# Altium PCB Boris_IO.PcbDoc (part 2 of 2)
Units mm, origin at the board's own origin, x right, y up, seen from the top; angles counter-clockwise.
Board outline 102.8 x 86.9 mm, 2 copper layers (Top Layer, Bottom Layer); 164 components, 216 nets, 847 pads, 54 vias.
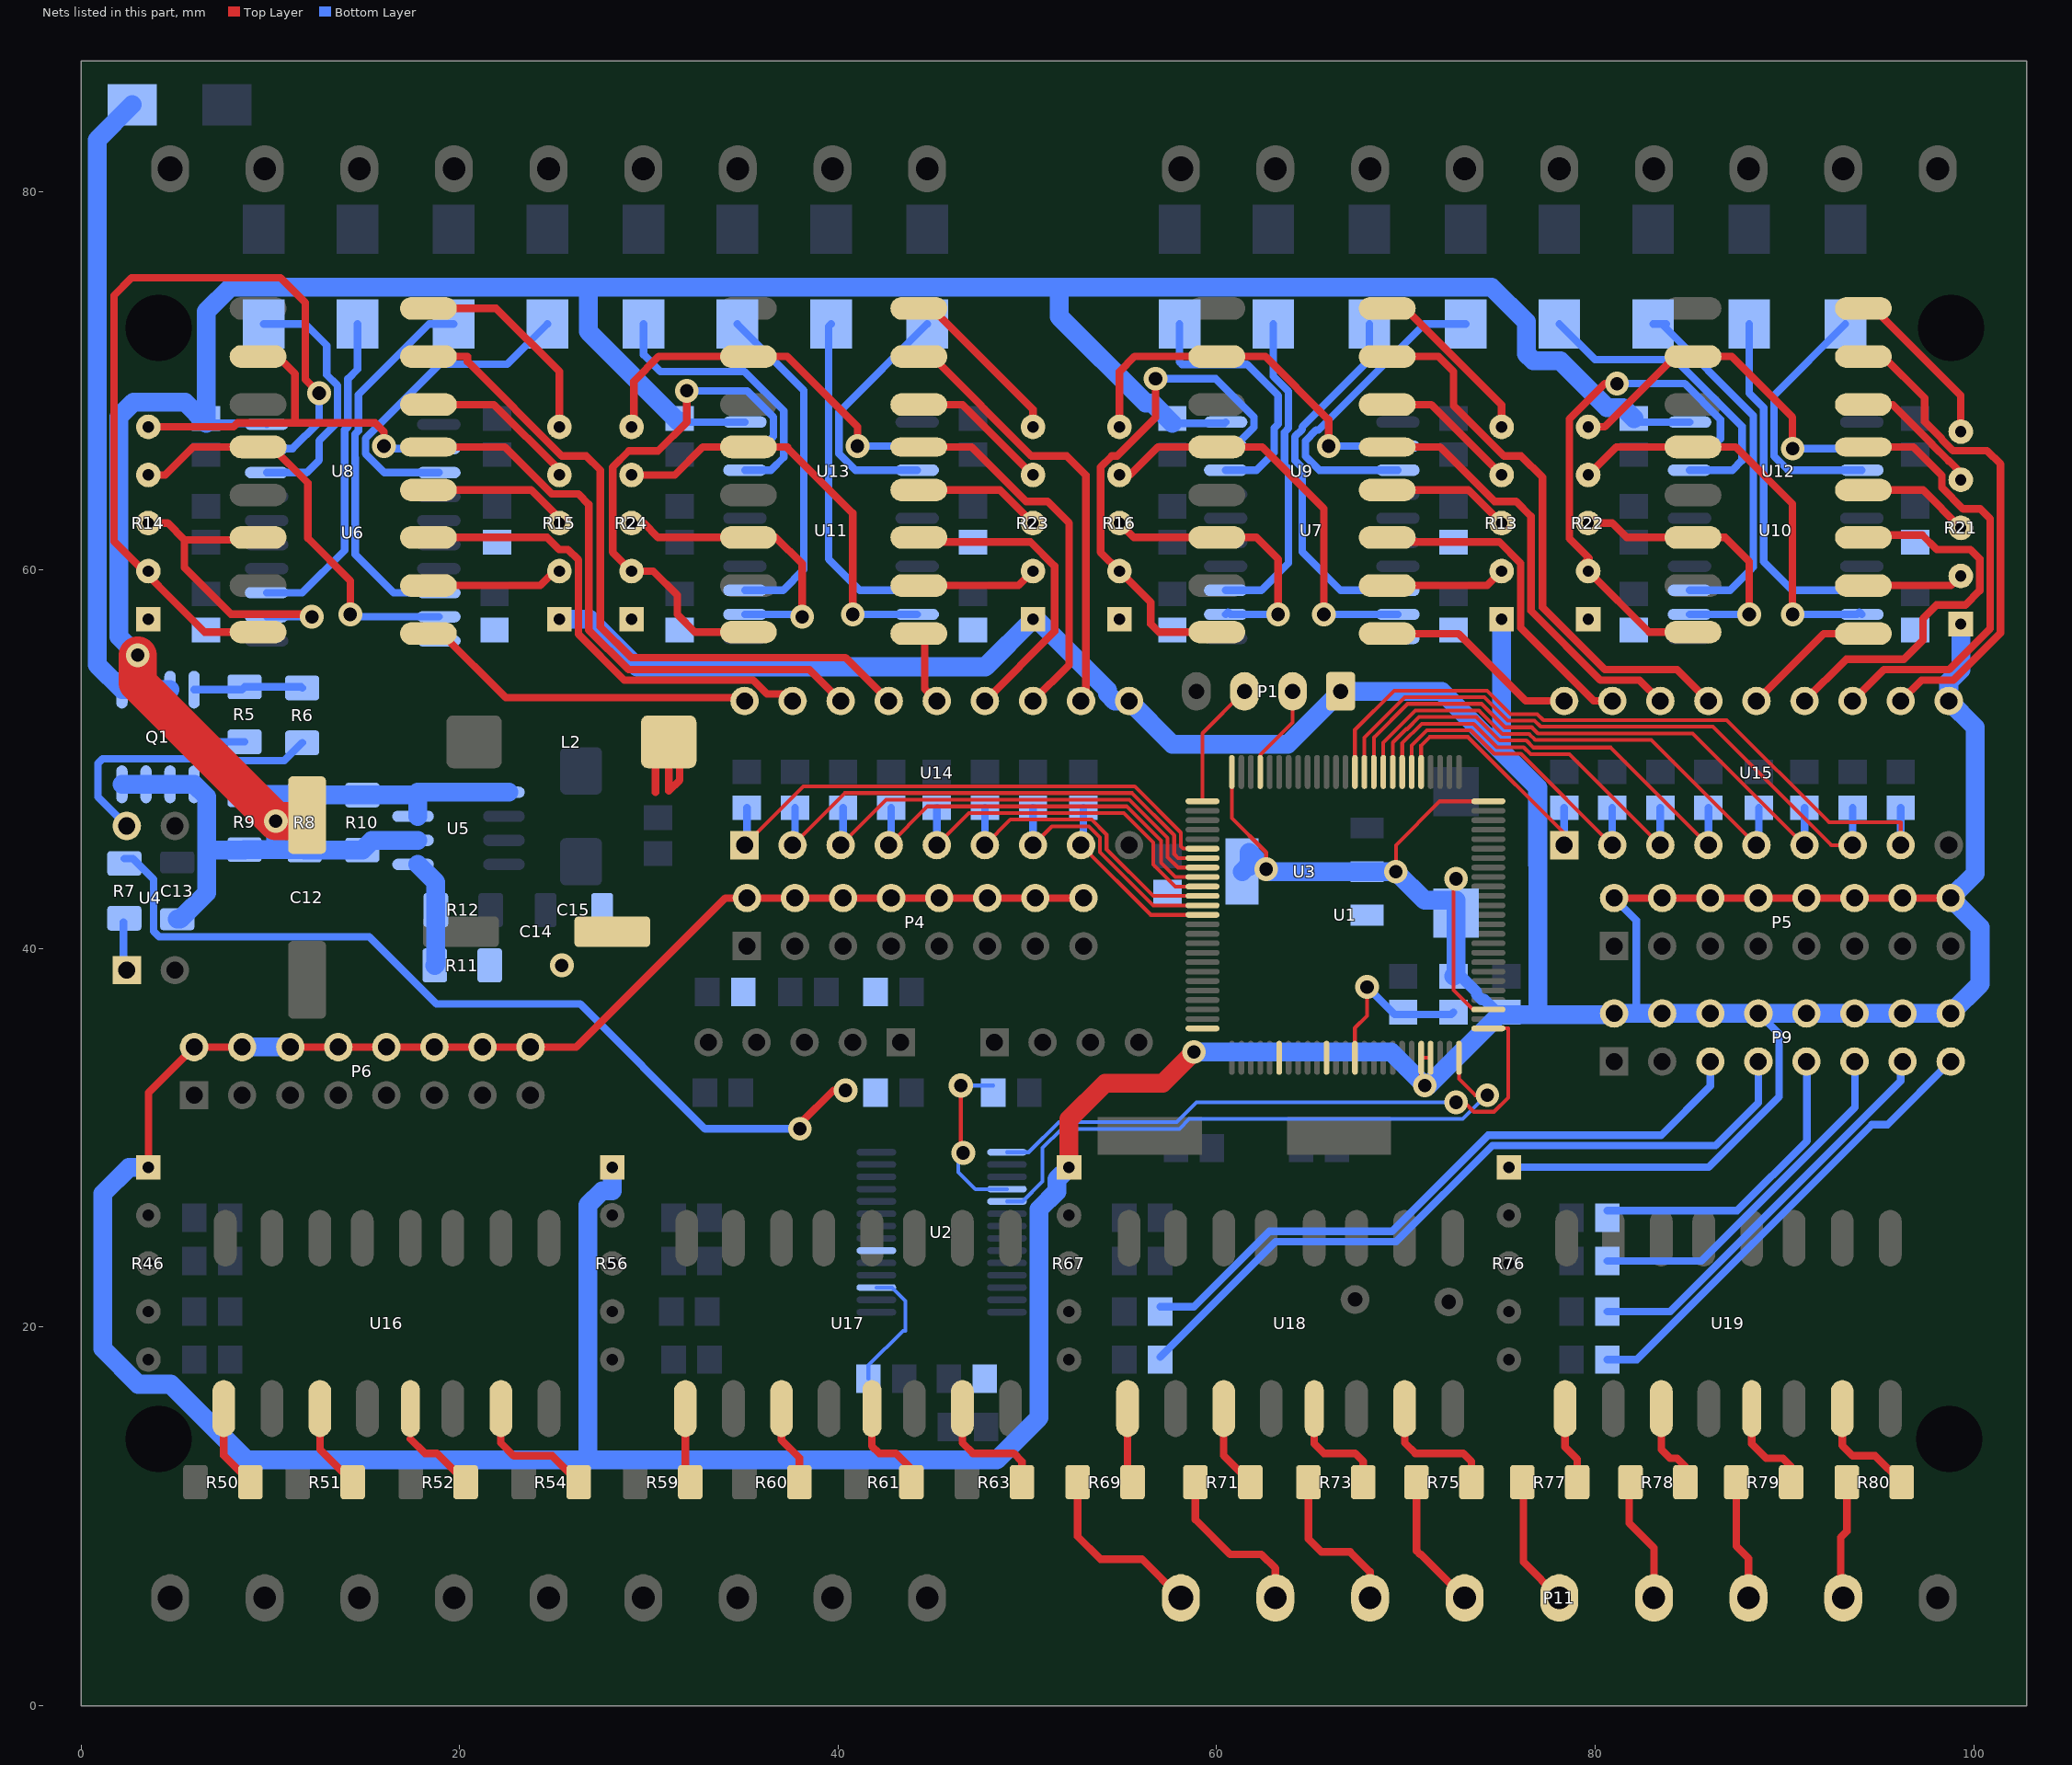
[diagram p2: the nets of this part, all layers, seen from the top]

## Via types
v1: diameter 1.25, hole 0.711, Top Layer to Bottom Layer, 32 vias
v2: diameter 1.27, hole 0.711, Top Layer to Bottom Layer, 22 vias

## Nets (pads, with @x,y where several pads share a name; then routed paths per layer and width w, separated by ;. In a path a pad name is that pad's centre, name@x,y a point inside that pad or via, vN(x,y) a via of type N, cw(c..) or ccw(c..) an arc to the next point about the centre after c; other vN are vias at no path point) (continued)
NetP9_5: P9.5 R65.2 | length 35.2
  Bottom Layer w0.4: R65.2@57.018,21.082 58.801,21.082 62.781,25.062 69.258,25.062 74.338,30.142 83.482,30.142 86.08,32.74 P9.5@86.08,34.036
NetP9_7: P9.7 R66.2 | length 39.4
  Bottom Layer w0.4: R66.2@57.018,18.415 63.115,24.512 69.486,24.512 74.566,29.592 86.361,29.592 88.62,31.851 P9.7@88.62,34.036
NetP9_9: P9.9 R68.2 | length 16.3
  Bottom Layer w0.4: R68.2@80.64,26.162 87.503,26.162 91.186,29.845 P9.9@91.186,34.036
NetP9_11: P9.11 R70.2 | length 18.9
  Bottom Layer w0.4: R70.2@80.64,23.495 85.614,23.495 93.726,31.607 P9.11@93.726,34.036
NetP9_13: P9.13 R72.2 | length 21.6
  Bottom Layer w0.4: R72.2@80.64,20.828 83.963,20.828 96.139,33.004 P9.13@96.139,34.036
NetP9_15: P9.15 R74.2 | length 24.7
  Bottom Layer w0.4: R74.2@80.64,18.288 82.201,18.288 94.615,30.702 95.446,30.702 P9.15@98.78,34.036
NetP11_1: P11.1 R69.1 | length 9.7
  Top Layer w0.4: R69.1@52.652,11.811 52.652,8.943 53.848,7.747 56.053,7.747 P11.1@58.1,5.7
NetP11_2: P11.2 R71.1 | length 8.8
  Top Layer w0.4: R71.1@58.875,11.811 58.875,9.832 60.706,8.001 62.357,8.001 63.1,7.258 P11.2@63.1,5.7
NetP11_3: P11.3 R73.1 | length 8.4
  Top Layer w0.4: R73.1@64.844,11.811 64.844,8.816 65.532,8.128 67.056,8.128 68.1,7.084 P11.3@68.1,5.7
NetP11_4: P11.4 R75.1 | length 7.2
  Top Layer w0.4: R75.1@70.559,11.811 70.559,8.181 70.739,8.001 70.799,8.001 P11.4@73.1,5.7
NetP11_5: P11.5 R77.1 | length 6.9
  Top Layer w0.4: R77.1@76.147,11.811 76.2,11.758 76.2,7.6 P11.5@78.1,5.7
NetP11_6: P11.6 R78.1 | length 6.7
  Top Layer w0.4: R78.1@81.862,11.811 81.788,11.737 81.788,9.652 83.1,8.34 P11.6@83.1,5.7
NetP11_7: P11.7 R79.1 | length 6.4
  Top Layer w0.4: R79.1@87.45,11.811 87.45,8.435 88.1,7.785 P11.7@88.1,5.7
NetP11_8: P11.8 R80.1 | length 6.3
  Top Layer w0.4: P11.8@93.1,5.7 92.964,5.836 92.964,8.89 93.292,9.218 R80.1@93.292,11.811
NetQ1_4: Q1.4 R5.2 R6.1 | length 5.8
  Bottom Layer w0.4: Q1.4@5.969,53.681 8.49,53.681 R5.2@8.636,53.827 11.631,53.827 R6.1@11.684,53.774
NetR6_2: R6.2 U4.4 | length 15.3
  Bottom Layer w0.4: U4.4@2.413,46.482 0.889,48.006 0.889,49.784 1.136,50.031 6.381,50.031 6.485,49.927 10.737,49.927 R6.2@11.684,50.874
NetR7_2: R7.2 U4.1 | length 2.6
  Bottom Layer w0.4: R7.2@2.233,41.402 2.233,39.042 U4.1@2.413,38.862
NetR11_2: R11.2 R12.1 U5.5 | length 5.7
  Bottom Layer w1: U5.5@17.793,44.45 18.743,43.5 R12.1@18.743,42.037 18.743,39.169 R11.2@18.69,39.116
NetR13_2: R13.2 U9.2 | length 5.7
  Top Layer w0.4: U9.2@69.709,59.182 74.295,59.182 R13.2@75.057,59.944
NetR13_3: R13.3 U9.4 | length 6.1
  Top Layer w0.4: U9.4@69.709,64.232 73.293,64.232 75.041,62.484 R13.3@75.057,62.484
NetR13_4: R13.4 U9.6 | length 6.9
  Top Layer w0.4: U9.6@69.709,68.742 71.339,68.742 R13.4@75.057,65.024
NetR13_5: R13.5 U9.8 | length 8.6
  Top Layer w0.4: U9.8@69.709,73.822 69.958,73.822 75.057,68.723 R13.5@75.057,67.564
NetR14_2: R14.2 U6.9 U8.16 | length 42.9
  Top Layer w0.4: U8.16@8.65,56.722 6.524,56.722 1.736,61.51 1.736,74.507 2.667,75.438 10.541,75.438 11.853,74.126 11.853,70.062 v1(12.573,69.342)
  Bottom Layer w0.4: U6.9@9.801,66.421 11.176,66.421 12.573,67.818 v1(12.573,69.342)
NetR14_3: R14.3 U6.2 U8.14 | length 17.4
  Top Layer w0.4: R14.3@3.302,62.484 R14.3@3.556,62.484 4.572,62.484 5.461,61.595 ; U8.14@8.65,61.722 8.523,61.595 5.461,61.595 ; v1(12.192,57.531) 12.051,57.672 7.917,57.672 5.461,60.128 5.461,61.595
  Bottom Layer w0.4: U6.2@9.801,57.531 v1(12.192,57.531)
NetR14_4: R14.4 U6.19 U8.12 | length 22.7
  Top Layer w0.4: R14.4@3.302,65.024 R14.4@3.556,65.024 4.445,65.024 5.923,66.502 U8.12@9.35,66.502 10.079,66.502 11.98,64.601 11.98,64.286 11.979,64.285 11.979,63.477 11.98,63.476 11.98,61.68 14.224,59.436 v1(14.224,57.658)
  Bottom Layer w0.4: v1(14.224,57.658) 14.351,57.531 U6.19@18.901,57.531
NetR14_5: R14.5 U6.12 U8.10 | length 22.3
  Top Layer w0.4: R14.5@3.302,67.564 R14.5@3.556,67.564 8.054,67.564 8.262,67.772 11.303,67.772 ; U8.10@8.65,71.282 U8.10@9.35,71.282 10.379,71.282 11.303,70.358 11.303,67.772 ; v1(16.002,66.548) 16.002,67.31 15.54,67.772 11.303,67.772
  Bottom Layer w0.4: v1(16.002,66.548) 16.129,66.421 U6.12@18.901,66.421
NetR15_2: R15.2 U8.2 | length 6.6
  Top Layer w0.4: U8.2@19.05,59.182 24.257,59.182 R15.2@25.273,60.198
NetR15_3: R15.3 U8.4 | length 6.8
  Top Layer w0.4: U8.4@19.05,64.232 23.779,64.232 R15.3@25.273,62.738
NetR15_4: R15.4 U8.6 | length 7.7
  Top Layer w0.4: U8.6@19.05,68.742 21.809,68.742 R15.4@25.273,65.278
NetR15_5: R15.5 U8.8 | length 10.3
  Top Layer w0.4: U8.8@19.05,73.822 21.936,73.822 25.273,70.485 R15.5@25.273,67.818
NetR16_2: R16.2 U7.9 U9.16 | length 26.9
  Top Layer w0.4: v1(56.769,70.104) 56.769,68.055 54.738,66.024 54.45,66.024 53.864,65.438 53.864,60.944 R16.2@54.864,59.944 56.515,58.293 56.515,57.15 56.943,56.722 U9.16@59.309,56.722
  Bottom Layer w0.4: v1(56.769,70.104) 59.957,70.104 61.974,68.087 61.974,67.549 60.973,66.548 U7.9@60.474,66.548
NetR16_3: R16.3 U7.2 U9.14 | length 15
  Top Layer w0.4: R16.3@54.864,62.484 55.626,61.722 U9.14@60.009,61.722 62.103,61.722 63.246,60.579 v1(63.246,57.658)
  Bottom Layer w0.4: U7.2@60.474,57.658 60.601,57.785 60.728,57.658 v1(63.246,57.658)
NetR16_4: R16.4 U7.19 U9.12 | length 22.3
  Top Layer w0.4: R16.4@54.864,65.024 55.418,65.024 56.896,66.502 U9.12@60.009,66.502 62.403,66.502 65.659,63.246 v1(65.659,57.658)
  Bottom Layer w0.4: v1(65.659,57.658) U7.19@69.574,57.658
NetR16_5: R16.5 U7.12 U9.10 | length 20.8
  Top Layer w0.4: R16.5@54.864,67.564 54.864,70.485 55.661,71.282 U9.10@60.009,71.282 62.576,71.282 65.913,67.945 v1(65.913,66.548)
  Bottom Layer w0.4: v1(65.913,66.548) 69.32,66.548 69.447,66.421 U7.12@69.574,66.548
NetR21_2: R21.2 U12.2 | length 4.9
  Top Layer w0.4: U12.2@94.615,59.182 98.806,59.182 R21.2@99.314,59.69
NetR21_3: R21.3 U12.4 | length 5.5
  Top Layer w0.4: U12.4@94.615,64.232 97.312,64.232 R21.3@99.314,62.23
NetR21_4: R21.4 U12.6 | length 6.6
  Top Layer w0.4: U12.6@94.615,68.742 95.723,68.742 97.764,66.701 97.764,66.668 98.672,65.76 98.705,65.76 99.314,65.151 R21.4@99.314,64.77
NetR21_5: R21.5 U12.8 | length 8.5
  Top Layer w0.4: U12.8@94.615,73.822 94.723,73.822 99.314,69.231 R21.5@99.314,67.31
NetR22_2: R22.2 U10.9 U12.16 | length 27
  Top Layer w0.4: v1(81.153,69.85) 80.501,69.85 78.629,67.978 78.629,61.664 79.671,60.622 79.311,60.262 R22.2@79.629,59.944 82.851,56.722 U12.16@84.215,56.722
  Bottom Layer w0.4: v1(81.153,69.85) 84.722,69.85 86.614,67.958 86.614,66.929 86.233,66.548 U10.9@84.985,66.548
NetR22_3: R22.3 U10.2 U12.14 | length 15.3
  Top Layer w0.4: R22.3@79.629,62.484 80.899,62.484 81.661,61.722 U12.14@85.169,61.722 86.868,61.722 88.138,60.452 v1(88.138,57.658)
  Bottom Layer w0.4: U10.2@84.985,57.658 v1(88.138,57.658)
NetR22_4: R22.4 U10.19 U12.12 | length 22.3
  Top Layer w0.4: R22.4@79.629,65.024 81.107,66.502 U12.12@85.169,66.502 87.422,66.502 90.424,63.5 v1(90.424,57.658)
  Bottom Layer w0.4: v1(90.424,57.658) 93.831,57.658 93.958,57.785 U10.19@94.085,57.658
NetR22_5: R22.5 U10.12 U12.10 | length 19
  Top Layer w0.4: R22.5@79.629,67.564 80.497,67.564 84.215,71.282 U12.10@85.169,71.282 87.214,71.282 90.424,68.072 v1(90.424,66.421)
  Bottom Layer w0.4: v1(90.424,66.421) 93.958,66.421 U10.12@94.085,66.548
NetR23_2: R23.2 U13.2 | length 5.6
  Top Layer w0.4: U13.2@44.958,59.182 49.53,59.182 R23.2@50.292,59.944
NetR23_3: R23.3 U13.4 | length 6.1
  Top Layer w0.4: U13.4@44.958,64.232 48.544,64.232 R23.3@50.292,62.484
NetR23_4: R23.4 U13.6 | length 6.9
  Top Layer w0.4: U13.6@44.958,68.742 46.574,68.742 R23.4@50.292,65.024
NetR23_5: R23.5 U13.8 | length 8.5
  Top Layer w0.4: U13.8@44.958,73.822 50.292,68.488 R23.5@50.292,67.564
NetR24_2: R24.2 U11.9 U13.16 | length 27.8
  Top Layer w0.4: v1(32.004,69.469) 32.004,67.818 30.48,66.294 28.939,66.294 28.083,65.438 28.083,60.944 R24.2@29.083,59.944 30.226,59.944 31.496,58.674 31.496,57.658 32.432,56.722 U13.16@34.558,56.722
  Bottom Layer w0.4: v1(32.004,69.469) 35.192,69.469 36.576,68.085 36.576,67.056 36.068,66.548 U11.9@35.074,66.548
NetR24_3: R24.3 U11.2 U13.14 | length 16
  Top Layer w0.4: R24.3@28.829,62.484 R24.3@29.083,62.484 29.718,62.484 30.48,61.722 U13.14@35.258,61.722 36.703,61.722 38.1,60.325 v1(38.1,57.531)
  Bottom Layer w0.4: U11.2@35.074,57.658 37.973,57.658 v1(38.1,57.531)
NetR24_4: R24.4 U11.19 U13.12 | length 22.8
  Top Layer w0.4: R24.4@28.829,65.024 R24.4@29.083,65.024 31.369,65.024 32.847,66.502 U13.12@35.258,66.502 37.338,66.502 37.338,66.439 40.767,63.01 v1(40.767,57.658)
  Bottom Layer w0.4: v1(40.767,57.658) U11.19@44.174,57.658
NetR24_5: R24.5 U11.12 U13.10 | length 20.6
  Top Layer w0.4: R24.5@28.829,67.564 29.21,67.945 29.21,69.977 30.515,71.282 U13.10@35.258,71.282 37.303,71.282 41.021,67.564 v1(41.021,66.548)
  Bottom Layer w0.4: v1(41.021,66.548) U11.12@44.174,66.548
NetR50_2: R50.2 U16.1 | length 4.5
  Top Layer w0.4: U16.1@7.539,15.7 7.539,13.215 R50.2@8.943,11.811
NetR51_2: R51.2 U16.3 | length 4.6
  Top Layer w0.4: U16.3@12.619,15.7 12.619,13.543 R51.2@14.351,11.811
NetR52_2: R52.2 U16.5 | length 3.9
  Top Layer w0.4: 17.399,14.097 18.161,13.335 18.796,13.335 R52.2@20.32,11.811
NetR54_2: R54.2 U16.7 | length 6.8
  Top Layer w0.4: U16.7@22.179,15.7 22.179,13.889 22.86,13.208 24.892,13.208 R54.2@26.289,11.811
NetR59_2: R59.2 U17.1 | length 3.6
  Top Layer w0.4: R59.2@31.923,12.072 U17.1@31.923,15.7
NetR60_2: R60.2 U17.3 | length 4.3
  Top Layer w0.4: U17.3@37.003,15.7 37.003,14.051 37.952,13.102 R60.2@37.952,11.811
NetR61_2: R61.2 U17.5 | length 4.6
  Top Layer w0.4: U17.5@41.783,15.7 41.783,13.716 42.164,13.335 43.053,13.335 R61.2@43.868,12.52
NetR63_2: R63.2 U17.7 | length 6.5
  Top Layer w0.4: U17.7@46.563,15.7 46.563,13.889 47.117,13.335 49.276,13.335 49.71,12.901 R63.2@49.71,11.811
NetR69_2: R69.2 U18.1 | length 3.6
  Top Layer w0.4: R69.2@55.291,12.072 U18.1@55.291,15.7
NetR71_2: R71.2 U18.3 | length 4.5
  Top Layer w0.4: U18.3@60.371,15.7 60.371,13.215 R71.2@61.775,11.811
NetR73_2: R73.2 U18.5 | length 5.9
  Top Layer w0.4: U18.5@65.151,15.7 65.151,13.843 65.659,13.335 67.31,13.335 67.744,12.901 R73.2@67.744,11.811
NetR75_2: R75.2 U18.7 | length 6.8
  Top Layer w0.4: U18.7@69.931,15.7 69.931,13.889 70.485,13.335 73.025,13.335 73.459,12.901 R75.2@73.459,11.811
NetR77_2: R77.2 U19.1 | length 4.2
  Top Layer w0.4: U19.1@78.41,15.7 78.41,13.665 79.047,13.028 R77.2@79.047,11.811
NetR78_2: R78.2 U19.3 | length 4.6
  Top Layer w0.4: U19.3@83.49,15.7 83.49,13.538 83.947,13.081 84.328,13.081 84.762,12.647 R78.2@84.762,11.811
NetR79_2: R79.2 U19.5 | length 5.3
  Top Layer w0.4: U19.5@88.27,15.7 88.27,13.838 89.027,13.081 89.916,13.081 90.35,12.647 R79.2@90.35,11.811
NetR80_2: R80.2 U19.7 | length 5.9
  Top Layer w0.4: U19.7@93.05,15.7 93.05,13.757 93.599,13.208 94.795,13.208 R80.2@96.192,11.811
NRST: C1.1 R1.1 U1.14 | length 9.2
  Top Layer w0.2: U1.14@67.302,34.233 67.302,35.806 67.945,36.449 v1(67.945,37.973)
  Bottom Layer w0.4: v1(67.945,37.973) 69.403,36.515 72.39,36.515 R1.1@72.517,36.642
OUT_1: R29.1 U1.81 U14.1 | length 29.3
  Top Layer w0.2: U14.1@35.052,45.466 38.152,48.566 55.666,48.566 58.102,46.13 58.102,45.403 58.222,45.283 U1.81@59.252,45.283
  Bottom Layer w0.4: U14.1@35.052,45.466 35.179,45.593 R29.1@35.179,47.437
OUT_1_1: F2.1 U6.8 | length 13.5
  Bottom Layer w0.4: F2.1@9.652,73 11.836,73 12.977,71.859 12.977,70.317 13.548,69.746 13.548,67.806 12.573,66.831 12.573,65.804 11.92,65.151 U6.8@9.801,65.151
OUT_1_2: F3.1 U6.3 | length 17.3
  Bottom Layer w0.4: U6.3@9.801,58.801 11.684,58.801 13.929,61.046 13.929,65.687 13.927,65.689 13.927,67.407 14.098,67.578 14.098,70.105 14.605,70.612 F3.1@14.605,73
OUT_1_3: F4.1 U6.18 | length 20.3
  Bottom Layer w0.4: U6.18@18.901,58.801 16.51,58.801 14.479,60.832 14.479,65.914 14.477,65.916 14.477,67.18 14.648,67.351 14.648,69.258 18.39,73 F4.1@19.685,73
OUT_1_4: F5.1 U6.13 | length 17.2
  Bottom Layer w0.4: U6.13@18.901,65.151 16.02,65.151 15.027,66.144 15.027,66.952 18.95,70.875 22.513,70.875 F5.1@24.638,73
OUT_2: R30.1 U1.82 U14.2 | length 26.8
  Top Layer w0.2: U14.2@37.592,45.466 40.342,48.216 55.521,48.216 57.752,45.985 57.752,44.991 57.96,44.783 U1.82@59.252,44.783
  Bottom Layer w0.4: U14.2@37.592,45.466 37.719,45.593 R30.1@37.719,47.437
OUT_2_1: F6.1 U11.8 | length 15
  Bottom Layer w0.4: F6.1@29.718,73 29.718,71.374 30.607,70.485 35.052,70.485 37.126,68.411 37.126,65.955 36.449,65.278 U11.8@35.074,65.278
OUT_2_2: F7.1 U11.3 | length 18
  Bottom Layer w0.4: F7.1@34.671,73 38.186,69.485 38.186,60.03 37.084,58.928 U11.3@35.074,58.928
OUT_2_3: F8.1 U11.18 | length 17.8
  Bottom Layer w0.4: F8.1@39.624,73 39.496,72.872 39.496,60.58 41.148,58.928 U11.18@44.174,58.928
OUT_2_4: F9.1 U11.13 | length 13.3
  Bottom Layer w0.4: U11.13@44.174,65.278 40.912,65.278 40.046,66.144 40.046,68.342 F9.1@44.704,73
OUT_3: R31.1 U1.83 U14.3 | length 24.2
  Top Layer w0.2: U14.3@40.132,45.466 42.532,47.866 55.376,47.866 57.402,45.84 57.402,44.833 57.952,44.283 U1.83@59.252,44.283
  Bottom Layer w0.4: U14.3@40.132,45.466 40.259,45.593 R31.1@40.259,47.437
OUT_3_1: F10.1 U7.8 | length 14
  Bottom Layer w0.4: F10.1@58.039,73 58.039,70.993 58.166,70.866 61.595,70.866 63.246,69.215 63.246,67.72 63.034,67.508 63.034,66.209 62.103,65.278 U7.8@60.474,65.278
OUT_3_2: F11.1 U7.3 | length 17.1
  Bottom Layer w0.4: U7.3@60.474,58.928 62.357,58.928 63.796,60.367 63.796,65.35 63.584,65.562 63.584,67.28 63.796,67.492 63.796,69.443 62.992,70.247 F11.1@62.992,73
OUT_3_3: F12.1 U7.18 | length 19.7
  Bottom Layer w0.4: F12.1@68.072,73 68.072,71.12 64.515,67.563 64.515,67.434 64.134,67.053 64.134,65.789 64.515,65.408 64.515,60.961 66.548,58.928 U7.18@69.574,58.928
OUT_3_4: F13.1 U7.13 | length 17
  Bottom Layer w0.4: U7.13@69.574,65.278 65.423,65.278 64.684,66.017 64.684,66.825 65.255,67.396 65.382,67.396 70.986,73 F13.1@73.152,73
OUT_4: R32.1 U1.84 U14.4 | length 21.7
  Top Layer w0.2: U14.4@42.672,45.466 44.722,47.516 55.231,47.516 57.052,45.695 57.052,44.548 57.817,43.783 U1.84@59.252,43.783
  Bottom Layer w0.4: U14.4@42.672,45.466 42.799,45.593 R32.1@42.799,47.437
OUT_4_1: F14.1 U10.8 | length 16.7
  Bottom Layer w0.4: F14.1@78.105,73 79.985,71.12 84.23,71.12 87.757,67.593 87.757,65.786 87.249,65.278 U10.8@84.985,65.278
OUT_4_2: F15.1 U10.3 | length 19.3
  Bottom Layer w0.4: F15.1@83.058,73 F15.1@83.509,73 ; F15.1@83.75,73 F15.1@83.509,73 ; U10.3@84.985,58.928 87.122,58.928 88.249,60.055 ; 88.349,60.155 88.349,68.16 F15.1@83.509,73
OUT_4_3: F16.1 U10.18 | length 18.7
  Bottom Layer w0.4: F16.1@88.138,73 88.138,69.342 88.899,68.581 88.899,60.453 90.424,58.928 U10.18@94.085,58.928
OUT_4_4: F17.1 U10.13 | length 13.5
  Bottom Layer w0.4: F17.1@93.218,73 89.449,69.231 89.449,66.017 90.188,65.278 U10.13@94.085,65.278
OUT_5: R33.1 U1.85 U14.5 | length 19
  Top Layer w0.2: U14.5@45.212,45.466 46.912,47.166 55.086,47.166 56.642,45.61 56.642,44.45 57.809,43.283 U1.85@59.252,43.283
  Bottom Layer w0.4: U14.5@45.212,45.466 R33.1@45.212,47.437
OUT_6: R34.1 U1.86 U14.6 | length 16.2
  Top Layer w0.2: U14.6@47.752,45.466 49.102,46.816 53.391,46.816 54.182,46.025 54.182,45.242 56.641,42.783 U1.86@59.252,42.783
  Bottom Layer w0.4: U14.6@47.752,45.466 R34.1@47.752,47.437
OUT_7: R35.1 U1.87 U14.7 | length 13.5
  Top Layer w0.2: U14.7@50.292,45.466 51.292,46.466 53.246,46.466 53.832,45.88 53.832,45.097 56.646,42.283 U1.87@59.252,42.283
  Bottom Layer w0.4: U14.7@50.292,45.466 R35.1@50.292,47.437
OUT_8: R36.1 U1.88 U14.8 | length 10
  Top Layer w0.2: U14.8@52.832,45.466 56.515,41.783 U1.88@59.252,41.783
  Bottom Layer w0.4: U14.8@52.832,45.466 52.959,45.593 R36.1@52.959,47.437
OUT_9: R37.1 U1.55 U15.1 | length 13.9
  Top Layer w0.2: U1.55@70.802,49.333 70.802,50.736 71.247,51.181 73.279,51.181 78.359,46.101 U15.1@78.359,45.466
  Bottom Layer w0.4: U15.1@78.359,45.466 R37.1@78.359,47.437
OUT_10: R38.1 U1.56 U15.2 | length 16.8
  Top Layer w0.2: U1.56@70.302,49.333 70.302,50.731 71.102,51.531 73.424,51.531 74.663,50.292 76.073,50.292 U15.2@80.899,45.466
  Bottom Layer w0.4: U15.2@80.899,45.466 R38.1@80.899,47.437
OUT_11: R39.1 U1.57 U15.3 | length 20.2
  Top Layer w0.2: U1.57@69.802,49.333 69.802,50.853 70.83,51.881 73.569,51.881 74.808,50.642 76.218,50.642 76.588,50.272 78.633,50.272 U15.3@83.439,45.466
  Bottom Layer w0.4: U15.3@83.439,45.466 R39.1@83.439,47.437
OUT_12: R40.1 U1.58 U15.4 | length 23.6
  Top Layer w0.2: U1.58@69.302,49.333 69.302,50.891 70.007,51.596 70.05,51.596 70.685,52.231 73.714,52.231 74.953,50.992 76.363,50.992 76.733,50.622 80.823,50.622 U15.4@85.979,45.466
  Bottom Layer w0.4: U15.4@85.979,45.466 R40.1@85.979,47.437
OUT_13: R41.1 U1.59 U15.5 | length 26.9
  Top Layer w0.2: U1.59@68.802,49.333 68.802,50.886 70.497,52.581 73.859,52.581 75.098,51.342 76.508,51.342 76.827,51.023 82.962,51.023 U15.5@88.519,45.466
  Bottom Layer w0.4: U15.5@88.519,45.466 88.646,45.593 R41.1@88.646,47.437
OUT_14: R42.1 U1.60 U15.6 | length 30.4
  Top Layer w0.2: U1.60@68.302,49.333 68.302,51.157 70.076,52.931 74.004,52.931 75.243,51.692 76.653,51.692 76.972,51.373 85.152,51.373 U15.6@91.059,45.466
  Bottom Layer w0.4: U15.6@91.059,45.466 R42.1@91.059,47.437
OUT_15: R43.1 U1.61 U15.7 | length 33.7
  Top Layer w0.2: U1.61@67.802,49.333 67.802,51.152 69.931,53.281 74.149,53.281 75.388,52.042 76.798,52.042 77.117,51.723 86.216,51.723 92.473,45.466 U15.7@93.599,45.466
  Bottom Layer w0.4: U15.7@93.599,45.466 R43.1@93.599,47.437
OUT_16: R44.1 U1.62 U15.8 | length 38
  Top Layer w0.2: U1.62@67.302,49.333 67.302,51.554 69.379,53.631 74.294,53.631 75.533,52.392 76.943,52.392 77.262,52.073 86.947,52.073 92.352,46.668 96.139,46.668 U15.8@96.139,45.466
  Bottom Layer w0.4: U15.8@96.139,45.466 R44.1@96.139,47.437
OUT_A_1: U8.1 U14.18 | length 17.6
  Top Layer w0.4: U8.1@19.05,56.642 22.437,53.255 34.524,53.255 34.873,52.907 U14.18@35.052,53.086
OUT_A_2: U8.3 U14.17 | length 24.4
  Top Layer w0.4: U8.3@19.05,61.722 24.621,61.722 25.256,61.087 25.726,61.087 26.273,60.54 26.273,56.609 28.696,54.186 35.508,54.186 36.237,53.457 37.185,53.457 37.203,53.475 U14.17@37.592,53.086
OUT_A_3: U8.5 U14.16 | length 30.5
  Top Layer w0.4: U8.5@19.05,66.502 22.381,66.502 24.859,64.024 26.273,64.024 26.823,63.474 26.823,56.837 28.924,54.736 38.482,54.736 U14.16@40.132,53.086
OUT_A_4: U8.7 U14.15 | length 36.2
  Top Layer w0.4: U8.7@19.05,71.282 20.412,71.282 20.412,71.011 25.399,66.024 26.686,66.024 27.432,65.278 27.432,57.006 29.066,55.372 40.386,55.372 U14.15@42.672,53.086
OUT_A_5: U13.1 U14.14 | length 4
  Top Layer w0.4: U13.1@44.958,56.642 44.577,56.261 44.577,53.721 U14.14@45.212,53.086
OUT_A_6: U13.3 U14.13 | length 15.9
  Top Layer w0.4: U13.3@44.958,61.722 44.958,61.484 50.166,61.484 51.435,60.215 51.435,56.752 47.769,53.086 U14.13@47.752,53.086
OUT_A_7: U13.5 U14.12 | length 19.1
  Top Layer w0.4: U13.5@44.958,66.502 47.052,66.502 49.927,63.627 51.054,63.627 52.197,62.484 52.197,54.991 U14.12@50.292,53.086
OUT_A_8: U13.7 U14.11 | length 22.8
  Top Layer w0.4: U13.7@44.958,71.282 50.216,66.024 52.086,66.024 53.086,65.024 53.086,53.34 U14.11@52.832,53.086
OUT_A_9: U9.1 U15.18 | length 10.1
  Top Layer w0.4: U9.1@69.709,56.642 72.771,56.642 76.327,53.086 U15.18@78.359,53.086
OUT_A_10: U9.3 U15.17 | length 16.9
  Top Layer w0.4: U9.3@69.709,61.722 69.709,61.484 74.931,61.484 76.057,60.358 76.057,56.944 79.915,53.086 U15.17@80.899,53.086
OUT_A_11: U9.5 U15.16 | length 22.2
  Top Layer w0.4: U9.5@69.709,66.502 71.801,66.502 74.676,63.627 75.819,63.627 76.607,62.839 76.607,57.853 80.274,54.186 82.339,54.186 U15.16@83.439,53.086
OUT_A_12: U9.7 U15.15 | length 28.9
  Top Layer w0.4: U9.7@69.709,71.282 71.72,71.282 72.517,70.485 72.517,68.69 75.183,66.024 76.089,66.024 77.216,64.897 77.216,58.022 80.502,54.736 84.329,54.736 U15.15@85.979,53.086
OUT_A_13: U12.1 U15.14 | length 7.6
  Top Layer w0.4: U15.14@88.519,53.086 92.075,56.642 U12.1@94.615,56.642
OUT_A_14: U12.3 U15.13 | length 20.3
  Top Layer w0.4: U15.13@91.059,53.086 93.259,55.286 96.307,55.286 97.323,56.302 97.323,57.445 98.028,58.15 99.552,58.15 100.314,58.912 100.314,60.595 99.822,61.087 98.044,61.087 97.282,61.849 94.742,61.849 U12.3@94.615,61.722
OUT_A_15: U12.5 U15.12 | length 22.8
  Top Layer w0.4: U15.12@93.599,53.086 95.249,54.736 98.695,54.736 100.864,56.905 100.864,62.712 100.346,63.23 99.44,63.23 98.314,64.356 98.314,64.992 96.804,66.502 U12.5@94.615,66.502
OUT_A_16: U12.7 U15.11 | length 25.6
  Top Layer w0.4: U12.7@94.615,71.282 95.215,71.282 97.409,69.088 97.409,67.834 98.314,66.929 98.314,66.896 98.9,66.31 100.695,66.31 101.414,65.591 101.414,56.677 98.923,54.186 97.239,54.186 U15.11@96.139,53.086
SWC: R8.2 R9.2 R10.2 U5.1 U5.7 U5.8 | length 15.3
  Bottom Layer w1: R9.2@8.636,48.133 11.79,48.133 R8.2@11.811,48.112 R10.2@14.859,48.112 17.645,48.112 U5.8@17.793,48.26 ; U5.7@17.793,46.99 U5.8@17.793,48.26 ; U5.1@22.593,48.26 U5.1@22.339,48.26 U5.8@17.793,48.26
SWCLK: P1.3 U1.76 | length 6.7
  Top Layer w0.2: U1.76@59.252,47.783 59.252,51.378 P1.3@61.468,53.594
SWDIO: P1.2 U1.72 | length 5
  Top Layer w0.2: U1.72@62.302,49.333 62.302,50.237 64.008,51.943 P1.2@64.008,53.594
USB_5V: C4.1 C5.1 L1.2 R2.1 R3.1 R4.2 R7.1 U2.4 U2.20 U3.3 | length 56.1
  Top Layer w0.2: v2(46.482,32.766) 46.482,29.337 v1(46.609,29.21)
  Top Layer w0.4: v1(37.973,30.48) 37.973,30.734 39.751,32.512 v2(40.386,32.512)
  Bottom Layer w0.2: v2(46.482,32.766) R3.1@48.199,32.766 ; v1(46.609,29.21) 46.355,29.21 46.355,28.194 47.255,27.294 U2.4@48.916,27.294
  Bottom Layer w0.4: R7.1@2.286,44.757 2.741,44.757 3.83,43.668 3.83,40.917 4.119,40.628 15.228,40.628 18.772,37.084 26.365,37.084 32.969,30.48 v1(37.973,30.48)
USB_RX: U1.25 U2.5 | length 31.7
  Top Layer w0.2: U1.25@72.802,34.233 72.802,33.116 73.66,32.258 v1(74.295,32.258)
  Bottom Layer w0.2: U2.5@48.916,26.644 49.742,26.644 50.8,27.702 50.8,29.477 51.803,30.48 58.026,30.48 58.548,31.002 73.006,31.002 74.262,32.258 v1(74.295,32.258)
USB_TX: U1.26 U2.1 | length 32.8
  Top Layer w0.2: v1(72.644,31.877) 73.095,31.877 73.589,31.383 74.657,31.383 75.404,32.13 75.404,35.783 U1.26@74.352,35.783
  Bottom Layer w0.2: U2.1@48.916,29.244 50.072,29.244 51.658,30.83 57.881,30.83 58.928,31.877 v1(72.644,31.877)
VCC: F1.1 Q1.1 Q1.2 Q1.3 R5.1 | length 41
  Bottom Layer w0.4: Q1.3@4.699,53.681 4.699,51.689 5.461,50.927 R5.1@8.636,50.927
  Bottom Layer w1: F1.1@2.707,84.582 0.852,82.727 0.852,54.988 Q1.1@2.159,53.681 Q1.2@3.429,53.681 Q1.3@4.699,53.681
VCC_3.3V: C6.1 C7.1 P1.1 P4.2 P4.4 P4.6 P4.8 P4.10 P4.12 P4.14 P4.16 P5.2 P5.4 P5.6 P5.8 P5.10 P5.12 P5.14 P5.16 P6.2 P6.4 P6.6 P6.8 P6.10 P6.12 P6.14 P6.16 P9.2 P9.4 P9.6 P9.8 P9.10 P9.12 P9.14 P9.16 R1.2 R13.1 R15.1 R21.1 R23.1 R46.1 R56.1 R67.1 R76.1 U1.6 U1.11 U1.21 U1.22 U1.28 U1.50 U1.75 U1.100 U3.2 U3.4 U14.10 U15.10 | length 397.5
  Top Layer w0.2: U1.75@60.802,49.333 60.802,46.894 62.611,45.085 v1(62.611,44.196) ; v1(69.469,44.069) 69.469,45.466 71.786,47.783 U1.50@74.352,47.783 ; v1@70.802,32.957 U1.21@70.802,34.233 U1.22@71.302,34.233 ; v1(72.644,43.688) 72.517,43.561 72.517,37.802 73.536,36.783 U1.28@74.352,36.783
  Top Layer w0.4: R46.1@3.556,28.448 3.556,32.385 P6.2@5.969,34.798 P6.4@8.509,34.798 ; P6.6@11.049,34.798 P6.8@13.589,34.798 P6.10@16.129,34.798 P6.12@18.669,34.798 P6.14@21.209,34.798 P6.16@23.749,34.798 26.163,34.798 34.037,42.672 P4.2@35.179,42.672 P4.4@37.719,42.672 P4.6@40.259,42.672 P4.8@42.799,42.672 P4.10@45.339,42.672 P4.12@47.879,42.672 P4.14@50.419,42.672 P4.16@52.959,42.672 ; P5.2@81,42.672 P5.4@83.54,42.672 P5.6@86.08,42.672 P5.8@88.62,42.672 P5.10@91.16,42.672 P5.12@93.7,42.672 P5.14@96.139,42.672 ; P5.14@96.24,42.672 P5.16@98.78,42.672
  Top Layer w1: R67.1@52.197,28.448 52.197,30.988 54.102,32.893 57.15,32.893 v1(58.801,34.544)
  Bottom Layer w0.2: C6.1@72.644,42.55 v1(72.644,43.688)
  Bottom Layer w0.4: U3.2@67.943,44.069 v1(69.469,44.069) ; R76.1@75.438,28.448 85.995,28.448 89.72,32.173 89.72,35.491 P9.8@88.635,36.576 ; P5.2@81,42.672 82.169,41.503 82.169,36.576
  Bottom Layer w0.6: R1.2@72.517,38.542 72.903,38.542 73.73,37.715 73.73,37.579 73.994,37.315 74.13,37.315 C7.1@74.93,36.515
  Bottom Layer w1: R46.1@3.556,28.448 2.54,28.448 1.143,27.051 1.143,18.863 3.018,16.988 4.729,16.988 8.735,12.982 48.382,12.982 50.616,15.216 50.616,26.232 51.55,27.166 51.55,27.801 R67.1@52.197,28.448 ; P6.4@8.509,34.798 P6.6@11.049,34.798 ; R15.1@25.273,57.404 26.864,57.404 29.38,54.888 47.776,54.888 R23.1@50.292,57.404 50.494,57.404 54.232,53.666 54.232,53.464 54.61,53.086 U14.10@55.372,53.086 57.658,50.8 63.754,50.8 P1.1@66.548,53.594 71.882,53.594 75.057,50.419 ; 26.767,13.46 26.767,26.446 27.529,27.208 28.067,27.208 R56.1@28.067,28.448 ; v1(58.801,34.544) 69.215,34.544 v1(70.993,32.766) 71.181,32.766 74.93,36.515 80.939,36.515 P9.2@81,36.576 82.169,36.576 P9.4@83.54,36.576 P9.6@86.08,36.576 P9.8@88.62,36.576 88.635,36.576 P9.10@91.16,36.576 P9.12@93.7,36.576 P9.14@96.24,36.576 P9.16@98.78,36.576 100.33,38.126 100.33,41.122 P5.16@98.78,42.672 100.079,43.971 100.079,51.686 U15.10@98.679,53.086 98.679,54.102 99.314,54.737 R21.1@99.314,57.15 ; U3.4@61.343,44.069 U3.4@61.722,44.448 ; U3.4@61.722,44.323 U3.4@61.722,44.448 ; R1.2@72.517,38.542 72.644,38.669 C6.1@72.644,41.885 72.644,42.55 70.988,42.55 v1(69.469,44.069) U3.2@67.943,44.069 62.738,44.069 v1(62.611,44.196) 62.041,44.766 61.722,45.085 U3.4@61.722,44.448 ; R13.1@75.057,57.404 75.057,50.419 ; 76.962,36.769 76.962,44.444 76.959,44.447 76.959,46.485 76.962,46.488 76.962,46.515 76.959,46.518 76.959,48.356 76.962,48.359 76.962,48.415 76.959,48.418 76.959,48.517 75.057,50.419
VCC_5V: C14.1 C15.1 C18.1 C20.1 C28.1 C30.1 L2.2 R11.1 R14.1 R16.1 R17.2 R18.2 R19.2 R20.2 R22.1 R24.1 R25.2 R26.2 R27.2 R28.2 U6.20 U7.20 U10.20 U11.20 | length 6.9
  Top Layer w0.4: 30.353,48.26 L2.2@30.353,50.228 ; L2.2@31.051,50.927 31.051,48.323 31.623,48.895 31.623,49.911 L2.2@31.115,49.911
  other v2: 25.4,39.116
VCC_24V: C12.1 C13.1 C17.1 C19.1 C27.1 C29.1 Q1.5 Q1.6 Q1.7 Q1.8 R8.1 R9.1 R10.1 U5.6 U6.10 U7.10 U10.10 U11.10 | length 173.7
  Top Layer w1: C12.1@11.906,46.736 C12.1@12.192,47.022
  Top Layer w2: v1(2.988,55.499) 2.988,54.035 v1(10.287,46.736) C12.1@11.906,46.736
  Bottom Layer w0.4: C17.1@6.604,67.752 9.74,67.752 U6.10@9.801,67.691 ; C27.1@32.004,67.818 U11.10@35.074,67.818 ; C19.1@57.658,67.752 60.408,67.752 U7.10@60.474,67.818 ; C29.1@82.042,68.006 82.23,67.818 U10.10@84.985,67.818
  Bottom Layer w1: Q1.8@2.159,48.681 Q1.7@3.429,48.681 Q1.6@4.699,48.681 Q1.5@5.969,48.681 6.63,48.02 6.63,45.212 ; v1(2.988,55.499) 2.002,56.485 2.002,68.102 2.764,68.864 5.492,68.864 6.604,67.752 C17.1@6.604,68.006 6.604,73.66 7.894,74.95 74.521,74.95 76.355,73.116 76.355,71.431 76.736,71.05 78.15,71.05 80.625,68.575 81.473,68.575 C29.1@82.042,68.006 ; C13.1@5.08,41.553 5.231,41.553 6.63,42.952 6.63,45.212 ; v1(10.287,46.736) 10.287,45.233 ; U5.6@17.793,45.72 U5.6@17.539,45.72 15.367,45.72 R10.1@14.859,45.212 R8.1@11.811,45.212 11.79,45.233 10.287,45.233 ; 26.797,74.823 26.797,72.602 31.52,67.879 C27.1@31.623,67.879 ; 51.689,74.823 51.689,73.381 56.241,68.829 56.581,68.829 C19.1@57.658,67.752 ; 6.63,45.212 8.615,45.212 R9.1@8.636,45.233 10.287,45.233
VCC_USB_3.3V: C10.1 U2.17 | length 6.8
  Bottom Layer w0.2: C10.1@41.595,17.272 41.595,17.973 43.434,19.812 43.561,19.812 43.561,21.375 42.842,22.094 U2.17@42.016,22.094
pads on no net: C12.0 C13.0 C14.0 C15.0 D1.0 L2.0 P2.4 R5.0 R6.0 R7.0 R8.0 R9.0 R10.0 R11.0 R12.0 R50.0 R51.0 R52.0 R54.0 R59.0 R60.0 R61.0 R63.0 R69.0 R71.0 R73.0 R75.0 R77.0 R78.0 R79.0 R80.0 U1.1 U1.2 U1.3 U1.4 U1.5 U1.7 U1.8 U1.9 U1.15 U1.16 U1.17 U1.18 U1.23 U1.24 U1.33 U1.34 U1.35 U1.36 U1.37 U1.38 U1.39 U1.40 U1.41 U1.42 U1.43 U1.44 U1.45 U1.46 U1.53 U1.54 U1.63 U1.64 U1.65 U1.66 U1.67 U1.68 U1.69 U1.70 U1.71 U1.77 U1.78 U1.79 U1.80 U1.98 U2.2 U2.3 U2.6 U2.8 U2.9 U2.10 U2.11 U2.12 U2.13 U2.14 U2.24 U2.27 U2.28

## Polygon pours and split planes (outlines as drawn)
GND on Top Layer "Top Layer-No Net" (solid, pour order 2): 12.827,36.195 12.7,36.322 0,36.322 0,78.232 0.254,78.486 93.091,78.486 93.599,78.486 95.25,80.137 95.25,80.645 95.25,82.804 95.885,83.439 102.489,83.439 102.489,53.34 101.981,52.832 101.727,53.086 69.469,53.086 67.437,55.118 67.183,55.372 58.674,55.372 58.42,55.372 54.991,51.943 53.086,50.038 36.576,50.038 35.498,50.038 33.593,51.943 32.766,51.943 17.272,51.943 16.764,51.435 16.637,51.308 16.637,43.392 16.637,43.053 17.272,43.053 19.685,43.053 23.114,43.053 23.114,41.021 23.114,36.195 13.081,36.195 12.954,36.068
VCC_5V on Top Layer "Top Layer-No Net" (solid, pour order 24): 29.591,51.816 29.591,44.831 25.654,44.831 24.511,43.688 24.257,43.434 24.257,37.846 27.178,37.846 32.512,43.18 32.512,50.419
VCC_3.3V on Top Layer "Top Layer-No Net" (solid, pour order 28): 58.039,34.544 58.166,34.671 58.166,35.941 63.246,35.941 63.373,35.814 63.5,35.687 63.5,33.909 63.5,33.528 63.881,33.147 65.278,33.147 65.405,33.147 65.659,33.401 65.659,35.433 65.913,35.433 65.913,33.909 65.913,32.893 65.532,32.512 65.278,32.258 63.246,32.258 60.325,32.258 58.801,33.782
GND_USB on Top Layer "Top Layer-No Net" (solid, pour order 30): 23.368,36.195 26.543,36.195 26.543,36.449 33.02,42.926 33.147,43.053 33.147,50.038 53.467,50.038 57.531,54.102 58.674,55.245 62.738,55.245 67.056,55.245 67.183,55.118 68.707,53.594 69.596,53.594 74.549,53.594 75.819,52.324 76.07,52.073 77.262,52.073 77.392,51.943 101.219,51.943 101.727,51.943 102.108,51.562 101.219,50.673 101.219,19.685 101.219,19.431 100.584,18.796 100.457,18.923 2.413,18.923 2.413,35.56 2.921,36.068
GND on Bottom Layer "Top Layer-No Net" (solid, pour order 4): 4.699,66.548 4.699,61.722 7.747,61.722 7.747,59.69 11.557,59.69 11.557,64.516 8.001,64.516 7.747,64.77 7.747,65.024 7.747,66.421 7.62,66.548
GND on Bottom Layer "Top Layer-No Net" (solid, pour order 6): 14.859,64.643 14.859,61.214 14.859,61.087 16.637,59.309 19.939,59.309 20.066,59.309 20.447,58.928 20.574,58.801 20.574,57.531 22.225,57.531 22.987,58.293 23.241,58.293 23.241,59.563 21.209,61.595 21.209,62.865 22.182,62.865 23.071,63.754 23.071,66.271 22.159,67.183 20.701,67.183 20.701,65.405 19.939,64.643
GND on Bottom Layer "Top Layer-No Net" (solid, pour order 8): 30.099,66.929 30.099,62.357 32.893,62.357 32.893,60.071 32.893,59.817 33.274,59.436 33.401,59.309 36.576,59.309 36.83,59.309 37.719,60.198 37.846,60.325 37.846,64.135 37.846,64.262 36.83,65.278 34.163,65.278 33.528,65.913 33.528,66.929
GND on Bottom Layer "Top Layer-No Net" (solid, pour order 10): 40.912,65.278 45.339,65.278 45.847,65.786 45.847,66.294 45.847,66.548 46.609,67.31 46.67,67.371 47.564,67.371 48.303,66.632 48.303,63.416 47.988,63.416 47.752,63.18 47.686,63.246 46.228,63.246 46.228,61.468 46.416,61.28 47.117,61.28 48.768,59.629 48.768,58.359 47.432,57.023 47.305,57.15 45.339,57.15 45.339,58.928 41.148,58.928 41.021,59.055 40.894,59.182 40.894,59.436
GND on Bottom Layer "Top Layer-No Net" (solid, pour order 12): 54.991,65.024 54.991,62.357 55.372,61.976 57.658,61.976 57.658,59.182 62.357,59.182 62.484,59.055 63.796,60.367 63.796,65.35 63.614,65.532 60.325,65.532 59.436,65.532 59.182,65.786 59.182,67.183 55.753,67.183 54.991,66.421
GND on Bottom Layer "Top Layer-No Net" (solid, pour order 14): 64.515,65.151 70.358,65.151 70.485,65.278 70.612,65.405 70.866,65.405 70.866,67.818 72.898,67.818 72.898,67.498 73.617,66.779 73.617,64.473 73.224,64.08 73.152,64.008 71.755,64.008 71.755,61.722 71.821,61.788 72.517,61.788 73.617,60.688 73.617,58.062 72.517,56.962 72.329,57.15 70.739,57.15 70.739,58.928 66.548,58.928 64.515,60.961
GND on Bottom Layer "Top Layer-No Net" (solid, pour order 16): 79.629,67.564 79.629,62.484 79.629,62.357 79.756,62.23 80.01,61.976 82.677,61.976 82.677,59.182 82.936,58.923 84.582,58.923 87.127,58.923 87.884,58.923 88.138,58.923 88.265,58.928 88.265,61.087 88.265,64.262 87.249,65.278 83.947,65.278 83.947,67.31 83.693,67.564
GND on Bottom Layer "Top Layer-No Net" (solid, pour order 18): 90.424,65.278 90.424,58.928 95.123,58.928 95.123,58.42 96.139,57.404 96.318,57.225 97.611,57.225 98.001,57.615 98.001,60.434 97.808,60.434 96.266,61.976 96.266,63.5 96.967,63.5 98.044,64.577 98.044,67.564 95.504,67.564 95.25,67.818 95.25,65.278
GND on Bottom Layer "Top Layer-No Net" (solid, pour order 20): 31.242,45.72 31.242,44.45 31.115,44.323 30.607,43.815 27.94,43.815 27.178,43.053 25.654,43.053 25.654,41.148 25.527,41.021 25.019,40.513 19.939,40.513 19.939,44.323 20.701,45.085 24.765,45.085 25.654,45.974 28.067,45.974 28.194,45.974 28.448,45.72
VCC_5V on Bottom Layer "Top Layer-No Net" (solid, pour order 22): 20.955,40.132 24.892,40.132 26.924,42.164 27.051,42.291 27.051,43.053 30.226,43.053 30.988,43.815 31.623,44.45 31.623,49.53 31.623,50.038 28.829,52.832 26.67,54.991 4.445,54.991 2.54,56.896 2.667,57.023 2.667,58.547 4.826,58.547 5.588,57.785 6.35,57.023 7.112,57.023 7.239,57.023 8.382,55.88 16.637,55.88 17.018,55.88 17.907,56.769 18.288,57.15 18.542,57.404 22.225,57.404 22.987,58.166 22.987,59.563 22.987,59.817 22.479,60.325 22.373,60.431 21.071,60.431 21.071,61.701 21.092,61.722 32.385,61.722 32.385,58.354 33.147,57.592 33.147,56.769 33.528,56.388 35.814,56.388 41.275,56.388 41.783,56.896 42.037,57.15 46.217,57.15 46.355,57.15 46.609,57.404 47.308,57.404 48.411,58.507 48.411,59.481 47.412,60.48 47.334,60.558 46.217,60.558 46.217,62.069 46.228,62.08 46.251,62.103 47.879,62.103 57.404,62.103 57.531,61.976 57.658,61.849 57.658,58.928 58.928,57.658 58.928,56.642 61.976,56.642 62.23,56.896 62.357,57.023 71.755,57.023 71.755,57.531 71.882,57.658 71.986,57.762 72.812,57.762 73.002,57.762 73.26,58.02 73.26,60.54 73.26,60.598 72.771,61.087 72.644,61.214 71.882,61.214 71.882,62.357 72.009,62.484 81.28,62.484 81.407,62.484 82.042,61.849 82.042,58.923 82.936,58.923 83.312,58.547 83.312,56.769 83.693,56.388 87.757,56.388 90.678,56.388 91.948,57.658 97.539,57.658 97.639,57.758 97.632,57.765 97.632,60.298 97.196,60.734 96.001,60.734 96.001,62.228 96.253,61.976 96.507,62.23 98.298,62.23 98.298,55.245 97.79,54.737 97.028,55.499 32.766,55.499 29.972,55.499 29.845,55.626 27.305,58.166 25.273,58.166 24.511,58.166 24.638,58.039 24.638,56.261 27.051,56.261 29.337,53.975 29.464,53.848 32.639,53.848 33.274,53.213 33.531,52.956 33.531,45.14 33.531,45.088 27.305,38.862 26.416,37.973 23.114,37.973 20.955,37.973
USB_5V on Bottom Layer "Top Layer-No Net" (solid, pour order 26): 41.148,23.622 44.577,23.622 45.847,22.352 45.847,16.51 48.387,16.51 48.387,18.034 46.99,19.431 46.99,22.733 45.339,24.384 40.259,24.384 40.132,24.384 40.005,24.511 40.005,25.4 40.005,30.734 40.386,31.115 41.529,31.115 45.212,31.115 48.641,31.115 49.022,31.369 49.022,31.75 49.022,33.655 48.768,33.909 48.641,34.036 46.101,34.036 45.847,34.036 45.593,33.782 45.593,32.131 45.212,31.75 43.053,31.75 43.053,33.274 43.18,33.401 43.18,38.481 54.61,38.481 57.15,41.021 57.404,40.767 69.088,40.767 69.088,42.291 60.325,42.291 58.928,43.688 57.023,43.688 56.261,43.688 54.864,42.291 54.229,41.656 54.229,40.386 54.229,40.259 53.213,39.243 34.671,39.243 34.163,38.735 34.163,36.957 35.941,36.957 36.449,37.465 36.449,38.481 40.132,38.481 40.259,38.354 41.275,37.338 41.275,36.195 41.656,35.814 41.656,33.655 40.386,33.655 39.624,32.893 39.624,23.622 41.275,23.622
GND_USB on Bottom Layer "Top Layer-No Net" (solid, pour order 32): 74.803,37.465 76.073,37.465 76.2,37.592 76.073,37.719 76.073,48.133 76.073,49.657 72.263,53.467 72.136,53.594 66.548,53.594 66.548,53.34 63.881,50.673 63.627,50.927 57.531,50.927 56.769,50.927 50.292,57.404 47.776,54.888 34.925,54.888 34.925,51.444 33.201,49.721 33.147,49.666 33.147,45.466 33.147,44.45 32.639,43.942 26.289,37.592 26.162,37.719 18.542,37.719 18.415,37.719 14.859,41.275 14.581,41.553 5.231,41.553 5.231,46.204 4.953,46.482 4.826,46.355 0.508,46.355 0.508,37.465 0.254,37.211 0.508,36.957 0.508,18.669 2.794,16.383 5.207,16.383 5.334,16.383 8.735,12.982 8.763,12.954 45.085,12.954 45.085,13.904 45.913,14.732 45.847,14.798 45.847,17.272 45.847,22.225 44.678,23.394 42.291,23.394 39.471,23.394 39.37,23.495 39.401,23.526 39.401,33.686 40.767,35.052 39.37,36.449 39.37,38.481 36.957,38.481 36.83,38.354 36.83,37.465 36.83,37.338 36.068,36.576 35.052,36.576 33.909,36.576 33.782,36.703 33.782,38.989 33.782,45.085 34.163,45.466 34.417,45.72 34.417,49.911 34.544,50.038 35.56,50.038 53.721,50.038 53.975,49.784 54.229,49.53 54.229,45.085 54.229,44.831 54.864,44.196 55.118,43.942 59.944,43.942 61.976,43.942 63.5,42.418 68.834,42.418 68.834,37.846 68.961,37.719 69.088,37.592 69.088,37.465

## Silkscreen, mask and mechanical layers (free items; w line width, h text height)
Mechanical 15:
  lines w0.254: -0.254,0.254 0.254,0.254 ; 0.508,0 0.508,0.635 ; 0,0 0,86.9 102.8,86.9 102.8,0 0,0

## Text inside footprints (layer, text, board x,y; h text height)
R13: Top Overlay "1" at 74.803,55.88 h0.7 r90
R14: Top Overlay "1" at 3.302,55.88 h0.7 r90
R15: Top Overlay "1" at 25.019,55.88 h0.7 r90
R16: Top Overlay "1" at 54.61,55.88 h0.7 r90
R21: Top Overlay "1" at 99.06,55.626 h0.7 r90
R22: Top Overlay "1" at 79.375,55.88 h0.7 r90
R23: Top Overlay "1" at 50.038,55.88 h0.7 r90
R24: Top Overlay "1" at 28.829,55.88 h0.7 r90
R46: Top Overlay "1" at 3.81,29.972 h0.7 r270
R56: Top Overlay "1" at 28.321,29.972 h0.7 r270
R67: Top Overlay "1" at 52.451,29.972 h0.7 r270
R76: Top Overlay "1" at 75.692,29.972 h0.7 r270